# Altium PCB HTBLEBMSALL24S100A_PCB_V0.2_260323.pcbdoc (part 6 of 7)
Units mm, origin at the board's own origin, x right, y up, seen from the top; angles counter-clockwise.
Board outline 212.1 x 87.6 mm, 2 copper layers (Top Layer, Bottom Layer), stack 1.56 mm thick; 927 components, 443 nets, 2867 pads, 2632 vias.
Unrouted connection lines stored in the file: 1161.
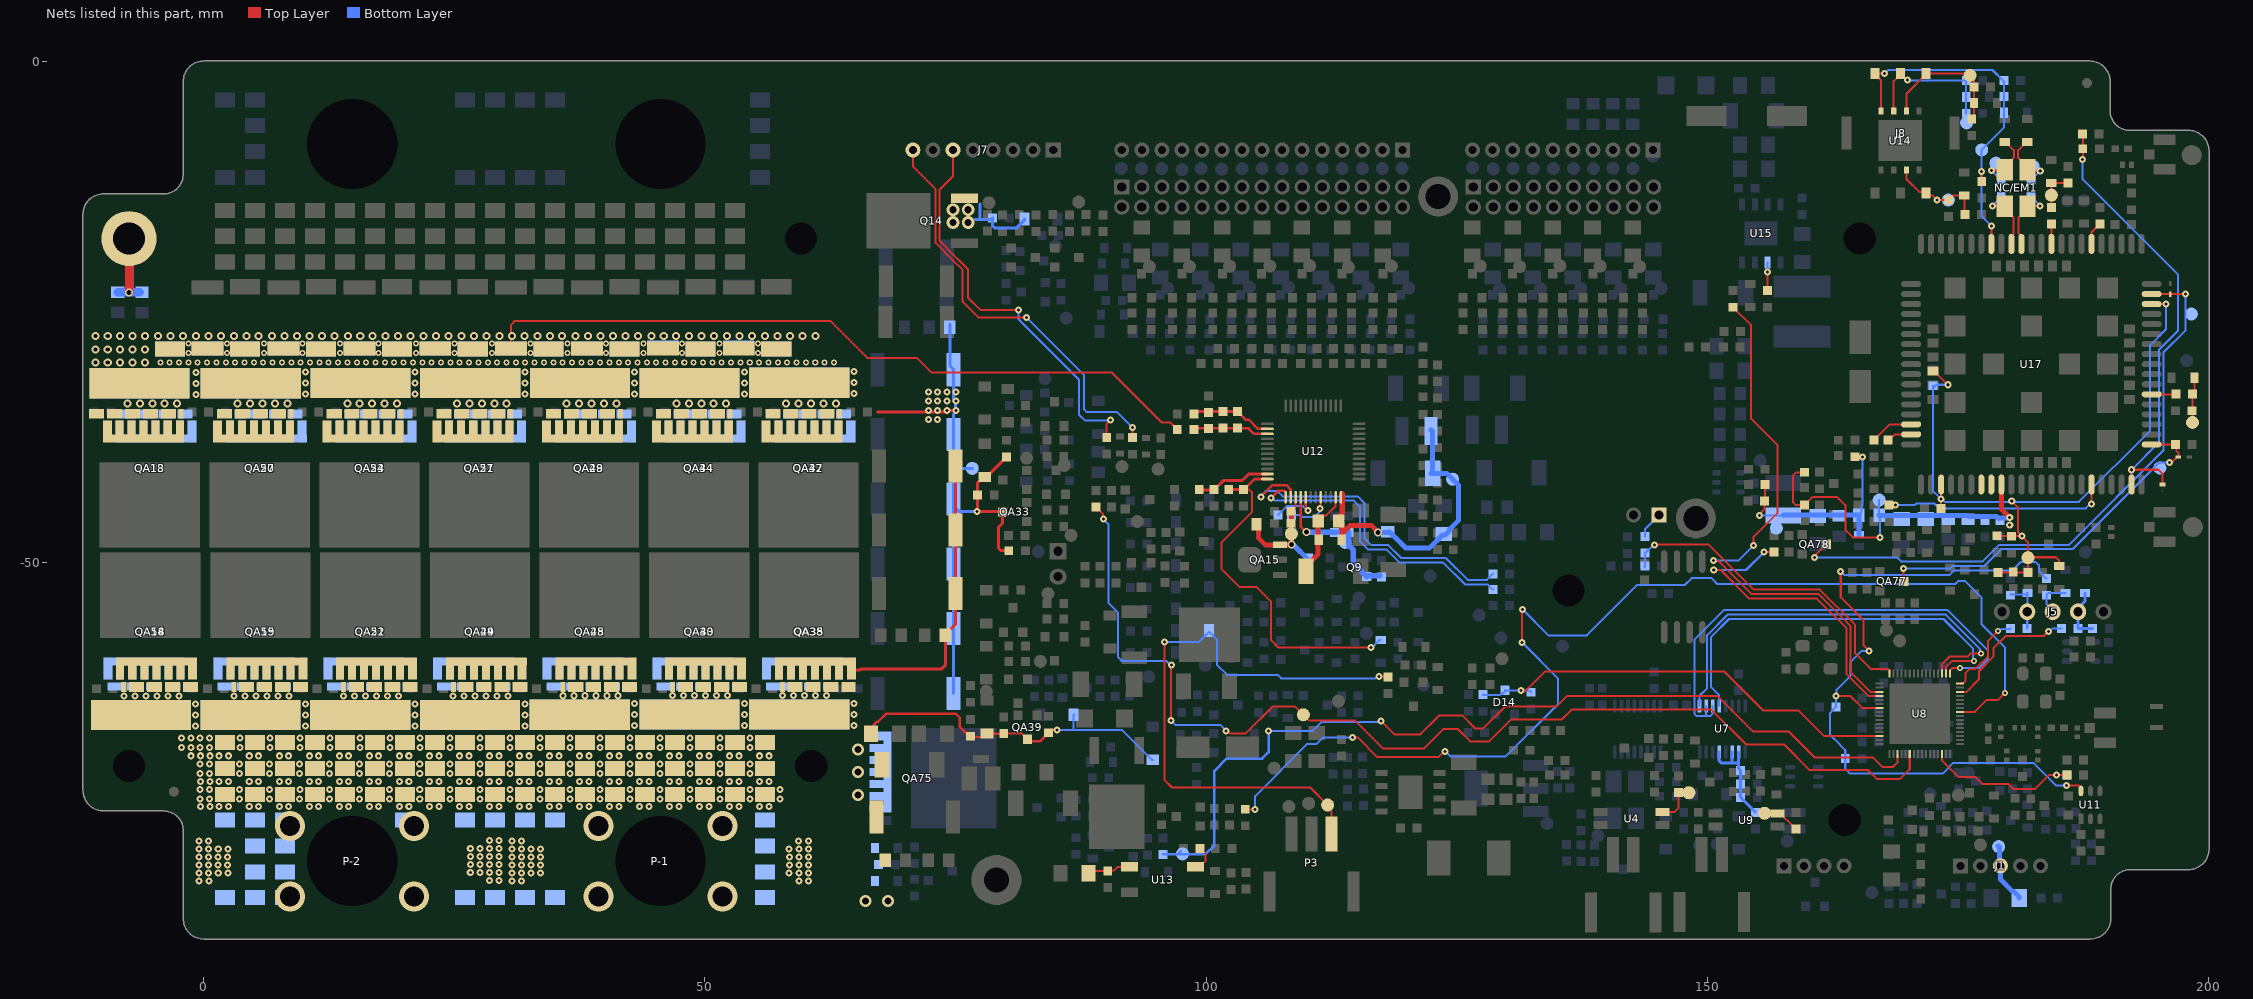
[diagram p6: the nets of this part, all layers, seen from the top]

## Via types
v1: diameter 0.7, hole 0.3, Top Layer to Bottom Layer, tented both sides, 1293 vias
v2: diameter 0.6, hole 0.3, Top Layer to Bottom Layer, tented both sides, 859 vias
v3: diameter 0.8, hole 0.4, Top Layer to Bottom Layer, tented both sides, 301 vias
v4: diameter 0.8, hole 0.5, Top Layer to Bottom Layer, tented both sides, 67 vias
v5: diameter 1.2, hole 0.7, Top Layer to Bottom Layer, tented both sides, 59 vias
v6: diameter 1.27, hole 0.711, Top Layer to Bottom Layer, tented both sides, 34 vias
v7: diameter 3, hole 2, Top Layer to Bottom Layer, tented both sides, 16 vias
v8: diameter 0.9, hole 0.6, Top Layer to Bottom Layer, tented both sides, 2 vias
v9: diameter 0.63, hole 0.3, Top Layer to Bottom Layer, tented both sides, 1 vias

## Nets (pads, with @x,y where several pads share a name; then routed paths per layer and width w, separated by ;. In a path a pad name is that pad's centre, name@x,y a point inside that pad or via, vN(x,y) a via of type N, cw(c..) or ccw(c..) an arc to the next point about the centre after c; other vN are vias at no path point) (continued)
NetR118_2: R118.2 U15.6 | length 2.8
  Top Layer w0.2: R118.2@155.983,-22.866 155.99,-22.859 v1(155.99,-21.013)
  Bottom Layer w0.2: v1@155.99,-21.049 v1(155.99,-21.013) 155.99,-20.084 U15.6@156.009,-20.066
NetR120_1: R120.1 U8.3 | length 55.9
  Top Layer w0.2: v1(150.63,-49.759) 150.68,-49.809 151.1,-49.809 154.4,-53.109 161.07,-53.109 164.3,-56.339 164.3,-60.91 166.267,-62.877 U8.3@167.194,-62.877 ; R120.1@152.55,-24.503 154.362,-26.315 154.362,-35.652 157.005,-38.295 157.005,-45.009 154.61,-47.404 v1(154.61,-48.269)
  Bottom Layer w0.2: v1(150.63,-49.759) 153.12,-49.759 v1(154.61,-48.269)
NetR123_1: R123.1 U8.4 | length 31.2
  Top Layer w0.2: v1(150.64,-50.729) 151.32,-50.729 154.17,-53.579 160.92,-53.579 163.89,-56.549 163.89,-61.11 166.057,-63.277 U8.4@167.194,-63.277 ; v1(155.65,-48.939) 156.65,-48.939 R123.1@156.659,-48.948
  Bottom Layer w0.2: v1(150.64,-50.729) 153.86,-50.729 v1(155.65,-48.939)
NetR143_1: R143.1 U17.50 | length 2.4
  Top Layer w0.2: R143.1@168.14,-37.779 168.72,-37.199 U17.50@170.33,-37.199
NetR144_1: R144.1 U17.49 | length 4.4
  Top Layer w0.2: R144.1@166.615,-37.779 168.195,-36.199 U17.49@170.33,-36.199
NetR145_2: R145.2 U17.20 | length 2.7
  Top Layer w0.2: U17.20@188.326,-18.568 188.326,-17.033 R145.2@189.162,-16.197
NetRA2_1: RA2.1 T11_1.1 U4.4 | length 3.6
  Top Layer w0.2: U4.4@145.84,-74.888 U4.4@145.54,-74.888 146.682,-74.888 147.139,-74.43 RA2.1@147.139,-72.934
NetRA5_1: RA5.1 T23_1.1 U9.4 | length 2.5
  Top Layer w0.2: U9.4@156.995,-75.038 157.295,-75.038 158.5,-76.243 158.511,-76.243 RA5.1@158.856,-76.588
NetRA57_1: RA57.1 U12.41 | length 4.9
  Top Layer w0.2: U12.41@109.932,-43.476 109.937,-43.48 109.937,-44.411 110.167,-44.641 v1(110.167,-44.776)
  Bottom Layer w0.2: RA57.1@107.177,-45.228 108.04,-44.365 109.659,-44.365 110.071,-44.776 v1(110.167,-44.776)
NetRA58_1: RA58.1 U12.44 | length 4.4
  Top Layer w0.2: v1(111.381,-44.586) 111.422,-44.545 111.422,-43.486 U12.44@111.432,-43.476
  Bottom Layer w0.2: RA58.1@108.675,-45.254 109.43,-45.254 109.608,-45.431 110.82,-45.431 111.285,-44.966 111.285,-44.681 v1(111.381,-44.586)
NetRA61_1: RA61.1 U12.38 | length 33.8
  Top Layer w0.254: v1(105.45,-43.45) 106.631,-42.269 108.002,-42.269 108.432,-42.699 U12.38@108.432,-43.476
  Bottom Layer w0.2: v1(105.45,-43.45) 105.45,-43.342 105.926,-42.866 107.101,-42.866 107.629,-43.394 115.107,-43.394 115.795,-44.083 115.795,-47.568 116.474,-48.246 118.17,-48.246 119.456,-49.532 123.893,-49.532 126.08,-51.719 128.007,-51.719 RA61.1@128.6,-51.126
NetRA62_1: RA62.1 U12.37 | length 30.3
  Top Layer w0.254: v1(106.466,-43.526) 107.151,-42.841 107.805,-42.841 107.932,-42.968 U12.37@107.932,-43.476
  Bottom Layer w0.2: v1(106.466,-43.526) 106.546,-43.526 106.833,-43.813 114.739,-43.813 115.343,-44.418 115.343,-47.877 116.138,-48.672 117.987,-48.672 119.276,-49.961 123.613,-49.961 125.822,-52.169 128.077,-52.169 RA62.1@128.6,-52.693
NetRA111_1: RA111.1 T73.1 U8.22 | length 111.7
  Top Layer w0.2: RA111.1@89.013,-44.448 89.728,-45.163 89.728,-45.64 v1(89.749,-45.661) ; v1(96.473,-65.741) 96.511,-65.703 96.511,-60.235 v1(96.55,-60.196) ; v1(102,-66.79) 102.135,-66.79 102.365,-67.02 103.953,-67.02 106.618,-64.354 108.872,-64.354 T73.1@109.679,-65.161 ; T73.1@109.691,-65.174 T73.1@109.679,-65.161 ; U8.22@170.194,-69.077 170.194,-70.606 169.2,-71.6 166.94,-71.6 166.03,-70.69 160.22,-70.69 157.669,-68.139 153.87,-68.139 150.391,-64.659 136.47,-64.659 135.501,-65.629 130.431,-65.629 128.233,-67.826 126.333,-67.826 125.124,-66.617 123.641,-66.617 121.709,-68.549 117.65,-68.549 114.861,-65.759 110.284,-65.759 109.686,-65.161 T73.1@109.679,-65.161
  Bottom Layer w0.2: v1(89.749,-45.661) 90.235,-46.147 90.235,-54.017 91.226,-55.007 91.226,-59.427 91.607,-59.808 96.026,-59.808 96.414,-60.196 v1(96.55,-60.196) ; v1(96.473,-65.741) 96.922,-66.19 101.4,-66.19 v1(102,-66.79)
NetRA146_2: RA146.2 RA155.1 U13.1 | length 4.8
  Top Layer w0.2: RA146.2@88.61,-80.648 RA146.2@88.28,-80.979 88.506,-80.753 RA155.1@90.187,-80.753 90.236,-80.703 90.814,-80.703 91.161,-80.356 U13.1@92.35,-80.356
NetRA148_2: RA148.2 U13.4 | length 3.8
  Top Layer w0.2: U13.4@99.325,-79.981 U13.4@98.95,-80.356 ; U13.4@99.4,-79.981 99.025,-80.356 U13.4@98.95,-80.356 ; RA148.2@99.4,-78.528 99.954,-79.082 99.954,-79.727 99.325,-80.356 U13.4@98.95,-80.356
NetRA154_2: RA154.2 U8.41 | length 115.3
  Top Layer w0.2: RA154.2@103.905,-74.595 103.913,-74.603 v1(104.886,-74.603) ; v1(114.622,-67.456) 114.63,-67.464 115.158,-67.464 117.087,-69.392 123.143,-69.392 123.684,-68.852 v1(123.819,-68.852) ; v1(131.51,-57.96) 131.535,-57.935 131.535,-54.685 v1(131.56,-54.66) ; U8.41@175.194,-64.877 176.683,-64.877 177.84,-63.72 178.96,-63.72 v2(179.68,-63)
  Bottom Layer w0.2: v1(104.886,-74.603) 104.886,-73.282 110.103,-68.065 111.015,-68.065 111.625,-67.456 v1(114.622,-67.456) ; v1(123.819,-68.852) 123.924,-68.852 124.427,-69.355 129.854,-69.355 135.11,-64.099 135.11,-61.56 v1(131.51,-57.96) ; v1(131.56,-54.66) 134.15,-57.25 137.99,-57.25 143.02,-52.22 147.77,-52.22 148.44,-51.55 150.421,-51.55 151,-52.129 174.74,-52.129 175.03,-51.839 175.71,-51.839 177.34,-53.47 177.34,-56.119 179.68,-58.459 v2(179.68,-63)
NetRA173_1: RA173.1 T100.1 U8.19 | length 92
  Top Layer w0.2: v1(117.421,-65.787) 118.769,-67.135 121.368,-67.135 123.232,-65.271 125.592,-65.271 126.874,-66.554 127.616,-66.554 129.816,-64.354 134.946,-64.354 136.02,-63.279 150.991,-63.279 154.572,-66.86 158.15,-66.86 160.74,-69.45 166.54,-69.45 167.47,-70.38 168.52,-70.38 168.994,-69.906 U8.19@168.994,-69.077
  Bottom Layer w0.2: v1(106.232,-66.803) 110.591,-66.803 111.512,-65.882 117.325,-65.882 v1(117.421,-65.787)
  Bottom Layer w0.254: RA173.1@95.707,-79.103 RA173.1@95.709,-79.101 95.728,-79.082 99.954,-79.082 100.817,-78.219 100.817,-70.783 102.046,-69.554 105.577,-69.554 106.232,-68.899 v1(106.232,-66.803) ; T100.1@97.134,-79.101 T100.1@97.449,-78.787
NRST: C62.2 R86.2 R97.1 U8.7 U11.6 | length 76.1
  Top Layer w0.2: v1(162.86,-63.319) 162.881,-63.299 164.259,-63.299 165.437,-64.477 U8.7@167.194,-64.477 ; v1(163.28,-50.869) 163.31,-50.899 163.31,-53.469 165.58,-55.739 165.58,-58.23 v1@166.135,-58.785 ; v1(185.85,-72.209) 187.031,-72.209 187.276,-72.455 U11.6@187.276,-72.762
  Bottom Layer w0.2: v1(163.28,-50.869) 163.654,-51.243 174.136,-51.243 174.6,-50.779 180.4,-50.779 181.24,-49.939 182.759,-49.939 183.09,-50.27 183.09,-50.867 R97.1@183.819,-51.596 ; v1(166.14,-58.79) 166.13,-58.8 165.39,-58.8 164.3,-59.89 164.3,-61.27 162.9,-62.669 162.9,-63.279 v1(162.86,-63.319) 162.86,-64.389 C62.2@162.828,-64.389 162.484,-64.734 162.484,-64.766 162.24,-65.01 162.24,-67.168 163.25,-68.178 163.25,-68.199 163.759,-68.708 R86.2@163.759,-69.529 163.759,-70.578 164.19,-71.009 173.521,-71.009 174.551,-69.979 182.53,-69.979 184.76,-72.209 v1(185.85,-72.209)
NTC1: J7.8 RA139.2 | length 42.4
  Top Layer w0.2: J7.8@70.746,-8.829 70.746,-10.464 73.018,-12.736 73.018,-18.094 74.732,-19.808 74.734,-19.808 75.706,-20.78 75.706,-23.989 77.248,-25.53 v1(82.072,-25.53) ; v1(92.648,-36.516) 92.648,-37.202 RA139.2@92.927,-37.481
  Bottom Layer w0.2: v1(82.072,-25.53) 87.822,-31.281 87.822,-34.713 88.101,-34.992 91.124,-34.992 91.978,-35.846 v1(92.648,-36.516)
NTC2: J7.6 RA163.2 | length 40.2
  Top Layer w0.2: J7.6@74.746,-8.829 74.746,-11.444 73.418,-12.772 73.418,-17.908 74.159,-18.65 74.159,-18.668 76.24,-20.748 76.24,-23.559 77.464,-24.784 v1(81.282,-24.784) ; RA163.2@90.08,-37.516 90.08,-36.145 v1(90.436,-35.789)
  Bottom Layer w0.2: v1(81.282,-24.784) 81.282,-25.736 87.314,-31.768 87.314,-35.221 87.898,-35.805 90.42,-35.805 v1(90.436,-35.789)
PACK-: CA29.2 CA44.2 CA64.1 D22.1 D25.1 D28.1 D31.1 DA16.2 DA17.1 DA40.1 DA41.1 DA46.1 DA48.1 P-1. P-1.1@45.55,-79.769 P-2. P-2.1@14.802,-79.769 pad.6@2.094,-67.954 pad.6@2.094,-70.531 pad.6@2.094,-73.108 pad.6@2.094,-75.685 pad.6@2.094,-83.415 pad.6@2.114,-62.359 pad.6@3.005,-62.398 pad.6@4.056,-62.359 pad.6@4.274,-62.398 pad.6@5.089,-67.954 pad.6@5.089,-70.531 pad.6@5.089,-73.108 pad.6@5.089,-75.685 pad.6@5.089,-78.262 pad.6@5.089,-80.838 pad.6@5.089,-83.415 pad.6@5.998,-62.359 pad.6@6.066,-62.398 pad.6@7.94,-62.359 pad.6@7.858,-62.398 pad.6@8.084,-67.954 pad.6@8.084,-70.531 pad.6@8.084,-73.108 pad.6@8.084,-75.685 pad.6@8.084,-78.262 pad.6@8.084,-80.838 pad.6@8.084,-83.415 pad.6@9.65,-62.398 pad.6@11.078,-67.954 pad.6@11.078,-70.531 pad.6@11.078,-73.108 pad.6@13.059,-62.359 pad.6@13.949,-62.398 pad.6@14.073,-67.954 pad.6@14.073,-70.531 pad.6@14.073,-73.108 pad.6@15.001,-62.359 pad.6@15.219,-62.398 pad.6@16.943,-62.359 pad.6@17.011,-62.398 pad.6@17.068,-67.954 pad.6@17.068,-70.531 pad.6@17.068,-73.108 pad.6@18.803,-62.398 pad.6@18.885,-62.359 pad.6@20.062,-67.954 pad.6@20.062,-70.531 pad.6@20.062,-73.108 pad.6@20.062,-75.685 pad.6@20.595,-62.398 pad.6@23.057,-67.954 pad.6@23.057,-70.531 pad.6@23.057,-73.108 pad.6@24.004,-62.359 pad.6@24.894,-62.398 pad.6@25.946,-62.359 pad.6@26.052,-67.954 pad.6@26.052,-70.531 pad.6@26.052,-73.108 pad.6@26.052,-75.685 pad.6@26.052,-83.415 pad.6@26.164,-62.398 pad.6@27.888,-62.359 pad.6@27.956,-62.398 pad.6@29.046,-67.954 pad.6@29.046,-70.531 pad.6@29.046,-73.108 pad.6@29.046,-75.685 pad.6@29.046,-83.415 pad.6@29.83,-62.359 pad.6@29.748,-62.398 pad.6@31.54,-62.398 pad.6@32.041,-67.954 pad.6@32.041,-70.531 pad.6@32.041,-73.108 pad.6@32.041,-75.685 pad.6@32.041,-83.415 pad.6@34.949,-62.359 pad.6@35.036,-67.954 pad.6@35.036,-70.531 pad.6@35.036,-73.108 pad.6@35.036,-75.685 pad.6@35.036,-83.415 pad.6@35.839,-62.398 pad.6@36.891,-62.359 pad.6@37.109,-62.398 pad.6@38.03,-67.954 pad.6@38.03,-70.531 pad.6@38.03,-73.108 pad.6@38.833,-62.359 pad.6@38.901,-62.398 pad.6@40.693,-62.398 pad.6@40.774,-62.359 pad.6@41.025,-67.954 pad.6@41.025,-70.531 pad.6@41.025,-73.108 pad.6@42.485,-62.398 pad.6@44.02,-67.954 pad.6@44.02,-70.531 pad.6@44.02,-73.108 pad.6@45.894,-62.359 pad.6@46.784,-62.398 pad.6@47.014,-67.954 pad.6@47.014,-70.531 pad.6@47.014,-73.108 pad.6@47.836,-62.359 pad.6@48.054,-62.398 pad.6@49.778,-62.359 pad.6@49.846,-62.398 pad.6@50.009,-67.954 pad.6@50.009,-70.531 pad.6@50.009,-73.108 pad.6@51.638,-62.398 pad.6@51.719,-62.359 pad.6@53.004,-67.954 pad.6@53.004,-70.531 pad.6@53.004,-73.108 pad.6@53.43,-62.398 pad.6@55.998,-67.954 pad.6@55.998,-70.531 pad.6@55.998,-73.108 pad.6@55.998,-75.685 pad.6@55.998,-78.262 pad.6@55.998,-80.838 pad.6@55.998,-83.415 pad.6@56.839,-62.359 pad.6@57.729,-62.398 pad.6@58.736,-62.359 pad.6@58.999,-62.398 pad.6@60.632,-62.359 pad.6@60.791,-62.398 pad.6@62.279,-62.359 pad.6@62.583,-62.398 pad.6@64.296,-62.398 pad.6@-1.34,-62.398 pad.6@-3.051,-62.359 pad.6@-3.132,-62.398 pad.6@-4.924,-62.398 pad.6@-4.993,-62.359 pad.6@-6.716,-62.398 pad.6@-6.935,-62.359 pad.6@-7.985,-62.398 pad.6@-8.877,-62.359 QA14.2 QA14.3 QA14.4 QA14.5 QA14.6 QA14.7 QA14.8 QA19.2 QA19.3 QA19.4 QA19.5 QA19.6 QA19.7 QA19.8 QA21.2 QA21.3 QA21.4 QA21.5 QA21.6 QA21.7 QA21.8 QA24.2 QA24.3 QA24.4 QA24.5 QA24.6 QA24.7 QA24.8 QA28.2 QA28.3 QA28.4 QA28.5 QA28.6 QA28.7 QA28.8 QA30.2 QA30.3 QA30.4 QA30.5 QA30.6 QA30.7 QA30.8 QA35.2 QA35.3 QA35.4 QA35.5 QA35.6 QA35.7 QA35.8 QA38.2 QA38.3 QA38.4 QA38.5 QA38.6 QA38.7 QA38.8 QA39.3 QA43.2 QA43.3 QA43.4 QA43.5 QA43.6 QA43.7 QA43.8 QA45.2 QA45.3 QA45.4 QA45.5 QA45.6 QA45.7 QA45.8 QA49.2 QA49.3 QA49.4 QA49.5 QA49.6 QA49.7 QA49.8 QA52.2 QA52.3 QA52.4 QA52.5 QA52.6 QA52.7 QA52.8 QA55.2 QA55.3 QA55.4 QA55.5 QA55.6 QA55.7 QA55.8 QA58.2 QA58.3 QA58.4 QA58.5 QA58.6 QA58.7 QA58.8 QA75.2 QA75.3 QA75.4 QA75.5 QA75.6 QA75.7 QA75.8 RA70.2 RA71.2 RA72.2 RA169.1 T3.1@59.402,-65.148 T8.1 T9.1 T10.1 T11.1 T12.1@37.509,-65.168 T13.1@48.456,-65.158 T22.1 T23.1 T24.1@15.617,-65.189 T25.1@26.563,-65.179 T26.1@37.509,-65.168 T27.1@48.456,-65.158 T28.1@59.402,-65.148 | length 65.4
  Top Layer w0.2: 75.836,-66.797 76.411,-67.373 77.8,-67.373 DA40.1@78.132,-67.041 ; RA71.2@79.811,-67.049 81.619,-67.049 82.336,-67.766 QA39.3@82.336,-67.834
  Top Layer w0.254: CA29.2@66.59,-66.562 66.59,-66.435 67.162,-65.863 67.289,-65.863 68.1,-65.052 75.008,-65.052 75.424,-65.469 75.424,-66.386 75.836,-66.797 RA70.2@76.471,-67.432 ; RA70.2@76.471,-67.316 RA70.2@76.745,-67.041 ; DA40.1@78.139,-67.049 RA71.2@79.811,-67.049 ; QA39.3@82.336,-67.834 83.426,-67.834 RA72.2@84.292,-66.968 ; RA72.2@84.522,-66.911 84.522,-66.759 84.609,-66.671 v1(85.122,-66.671)
  Top Layer w0.3: QA38.8@64.603,-60.907 64.801,-60.709 65.49,-60.709 65.61,-60.588 73.63,-60.588 73.979,-60.239 CA44.2@73.979,-57.25 73.979,-57.161 74.97,-56.171 D28.1@74.97,-53.084 D25.1@74.97,-46.722 D22.1@74.97,-40.359
  Bottom Layer w0.2: v1@85.218,-66.575 v1(85.122,-66.671) 86.781,-66.671 ; DA17.1@86.77,-65.162 86.781,-65.172 86.781,-66.671 ; DA16.2@94.68,-69.663 94.553,-69.663 91.561,-66.671 86.781,-66.671
  Bottom Layer w0.254: DA17.1@86.77,-65.162 86.859,-65.162 DA17.1@86.781,-65.24
  other v1: 30.74,-81.771 31.715,-81.771 59.381,-81.743 60.32,-81.743 -0.472,-81.735 0.503,-81.735 28.517,-81.73 29.457,-81.73 30.74,-80.973 31.697,-80.973 32.655,-80.973 33.612,-80.973 -0.472,-80.937 0.486,-80.937 1.443,-80.937 2.401,-80.937 26.584,-80.932 27.542,-80.932 28.499,-80.932 29.457,-80.932 58.405,-80.945 59.363,-80.945 60.32,-80.945 30.74,-80.175 31.679,-80.175 32.637,-80.175 33.594,-80.175 58.423,-80.147 59.381,-80.147 60.32,-80.147 -0.472,-80.139 0.468,-80.139 1.425,-80.139 2.383,-80.139 26.602,-80.134 27.56,-80.134 28.517,-80.134 29.457,-80.134 30.74,-79.377 31.679,-79.377 32.637,-79.377 33.594,-79.377 -0.472,-79.341 0.468,-79.341 1.425,-79.341 2.383,-79.341 26.602,-79.336 27.56,-79.336 28.517,-79.336 29.457,-79.336 58.423,-79.349 59.381,-79.349 60.32,-79.349 30.74,-78.579 31.697,-78.579 32.655,-78.579 33.612,-78.579 -0.472,-78.543 0.486,-78.543 1.443,-78.543 2.401,-78.543 58.405,-78.551 59.363,-78.551 60.32,-78.551 26.584,-78.538 27.542,-78.538 28.499,-78.538 29.457,-78.538 30.74,-77.781 31.679,-77.781 59.345,-77.753 60.32,-77.753 -0.472,-77.745 0.468,-77.745 28.482,-77.74 29.457,-77.74 -0.339,-74.335 0.601,-74.335 1.541,-74.335 2.481,-74.335 4.535,-74.335 5.475,-74.335 7.53,-74.335 8.47,-74.335 10.525,-74.335 11.465,-74.335 13.519,-74.335 14.459,-74.335 16.514,-74.335 17.454,-74.335 19.509,-74.335 20.448,-74.335 22.503,-74.335 23.443,-74.335 25.498,-74.335 26.438,-74.335 28.493,-74.335 29.432,-74.335 31.487,-74.335 32.427,-74.335 34.482,-74.335 35.422,-74.335 37.477,-74.335 38.416,-74.335 40.471,-74.335 41.411,-74.335 43.466,-74.335 44.406,-74.335 46.461,-74.335 47.4,-74.335 49.455,-74.335 50.395,-74.335 52.45,-74.335 53.39,-74.335 55.445,-74.335 56.384,-74.335 -0.357,-73.588 0.583,-73.588 3.578,-73.588 6.572,-73.588 9.567,-73.588 12.562,-73.588 15.556,-73.588 18.551,-73.588 21.546,-73.588 24.54,-73.588 27.535,-73.588 30.53,-73.588 33.524,-73.588 36.519,-73.588 39.514,-73.588 42.508,-73.588 45.503,-73.588 48.498,-73.588 51.492,-73.588 54.487,-73.588 57.51,-73.568 -0.357,-72.648 0.583,-72.648 3.578,-72.648 6.572,-72.648 12.562,-72.648 15.556,-72.648 18.551,-72.648 21.546,-72.648 24.54,-72.648 30.53,-72.648 33.524,-72.648 36.519,-72.648 39.514,-72.648 42.508,-72.648 45.503,-72.648 48.498,-72.648 51.492,-72.648 54.487,-72.648 9.595,-72.628 27.563,-72.628 57.51,-72.628 -0.339,-71.838 0.601,-71.838 1.541,-71.838 2.481,-71.838 4.535,-71.838 5.475,-71.838 7.53,-71.838 8.47,-71.838 10.525,-71.838 11.465,-71.838 13.519,-71.838 14.459,-71.838 16.514,-71.838 17.454,-71.838 19.509,-71.838 20.448,-71.838 22.503,-71.838 23.443,-71.838 25.498,-71.838 26.438,-71.838 28.493,-71.838 29.432,-71.838 31.487,-71.838 32.427,-71.838 34.482,-71.838 35.422,-71.838 37.477,-71.838 38.416,-71.838 40.471,-71.838 41.411,-71.838 43.466,-71.838 44.406,-71.838 46.461,-71.838 47.4,-71.838 49.455,-71.838 50.395,-71.838 52.45,-71.838 53.39,-71.838 55.445,-71.838 56.384,-71.838 -0.357,-71.011 0.583,-71.011 3.578,-71.011 6.572,-71.011 9.567,-71.011 12.562,-71.011 15.556,-71.011 18.551,-71.011 21.546,-71.011 24.54,-71.011 27.535,-71.011 30.53,-71.011 33.524,-71.011 36.519,-71.011 39.514,-71.011 42.508,-71.011 45.503,-71.011 48.498,-71.011 51.492,-71.011 54.487,-71.011 -0.357,-70.071 0.583,-70.071 3.578,-70.071 6.572,-70.071 9.567,-70.071 12.562,-70.071 15.556,-70.071 18.551,-70.071 21.546,-70.071 24.54,-70.071 27.535,-70.071 30.53,-70.071 33.524,-70.071 36.519,-70.071 39.514,-70.071 42.508,-70.071 45.503,-70.071 48.498,-70.071 51.492,-70.071 54.487,-70.071 -1.279,-69.262 -0.339,-69.262 0.601,-69.262 1.541,-69.262 2.481,-69.262 4.535,-69.262 5.475,-69.262 7.53,-69.262 8.47,-69.262 10.525,-69.262 11.465,-69.262 13.519,-69.262 14.459,-69.262 16.514,-69.262 17.454,-69.262 19.509,-69.262 20.448,-69.262 22.503,-69.262 23.443,-69.262 25.498,-69.262 26.438,-69.262 28.493,-69.262 29.432,-69.262 31.487,-69.262 32.427,-69.262 34.482,-69.262 35.422,-69.262 37.477,-69.262 38.416,-69.262 40.471,-69.262 41.411,-69.262 43.466,-69.262 44.406,-69.262 46.461,-69.262 47.4,-69.262 49.455,-69.262 50.395,-69.262 52.45,-69.262 53.39,-69.262 55.445,-69.262 56.384,-69.262 -2.236,-68.434 -1.296,-68.434 -0.357,-68.434 0.583,-68.434 3.606,-68.434 6.6,-68.434 9.595,-68.434 12.59,-68.434 15.584,-68.434 18.579,-68.434 21.574,-68.434 24.568,-68.434 27.563,-68.434 30.558,-68.434 33.552,-68.434 36.547,-68.434 39.542,-68.434 42.536,-68.434 45.531,-68.434 48.526,-68.434 51.52,-68.434 54.515,-68.434 -2.236,-67.495 -1.296,-67.495 -0.357,-67.495 0.583,-67.495 3.606,-67.495 6.6,-67.495 9.595,-67.495 12.59,-67.495 15.584,-67.495 18.579,-67.495 21.574,-67.495 24.568,-67.495 27.563,-67.495 30.558,-67.495 33.552,-67.495 36.547,-67.495 39.542,-67.495 42.536,-67.495 45.531,-67.495 48.526,-67.495 51.52,-67.495 54.515,-67.495 -0.808,-66.301 10.138,-66.291 21.085,-66.281 32.031,-66.271 42.977,-66.261 53.923,-66.25 64.869,-66.24 -0.808,-65.204 10.138,-65.194 21.085,-65.184 32.031,-65.174 42.977,-65.163 53.923,-65.153 64.869,-65.143 -0.808,-64.107 10.138,-64.097 21.085,-64.086 32.031,-64.076 42.977,-64.066 53.923,-64.056 64.869,-64.046 -7.955,-63.317 -6.858,-63.317 -5.761,-63.317 -4.663,-63.317 -3.566,-63.317 -2.469,-63.317 2.991,-63.307 4.088,-63.307 5.185,-63.307 6.283,-63.307 7.38,-63.307 8.477,-63.307 13.937,-63.296 15.034,-63.296 16.132,-63.296 17.229,-63.296 18.326,-63.296 19.423,-63.296 24.883,-63.286 25.98,-63.286 27.078,-63.286 28.175,-63.286 29.272,-63.286 30.369,-63.286 35.829,-63.276 36.926,-63.276 38.024,-63.276 39.121,-63.276 40.218,-63.276 41.316,-63.276 46.775,-63.266 47.873,-63.266 48.97,-63.266 50.067,-63.266 51.164,-63.266 52.262,-63.266 57.721,-63.256 58.819,-63.256 59.916,-63.256 61.013,-63.256 62.111,-63.256
  other v5: 66.001,-83.747 68.261,-83.747 65.259,-73.163 65.259,-70.902 65.259,-68.642
  other v7: 8.611,-83.295 20.981,-83.295 39.359,-83.295 51.729,-83.295 8.611,-76.255 20.981,-76.255 39.359,-76.255 51.729,-76.255
PRE_DSG: DA6.1 P3.3 R76.1 T28.1@112.117,-74.18 | length 60.4
  Top Layer w0.2: v1(95.823,-57.903) 95.823,-71.662 96.593,-72.432 110.369,-72.432 T28.1@112.117,-74.18 112.117,-74.444 112.52,-74.847 P3.3@112.52,-77.05 ; v1(117.235,-61.334) 118.063,-61.334 R76.1@118.134,-61.405
  Bottom Layer w0.2: v1(95.823,-57.903) 99.285,-57.903 99.885,-57.302 100.293,-56.894 101.106,-57.707 101.106,-60.214 102.09,-61.198 107.145,-61.198 107.482,-61.535 116.899,-61.535 117.1,-61.334 v1(117.235,-61.334)
PWRKEY: C73.2 QA77.3 T101.1 TVS1.1 U17.1 | length 37.1
  Top Layer w0.2: v1(169.586,-50.557) 169.586,-51.714 QA77.3@169.643,-51.77 ; U17.1@193.777,-38.199 U17.1@194.33,-38.199 196.279,-38.199 196.285,-38.205 C73.2@196.278,-38.211 ; v1(196.1,-40.03) 196.196,-39.934 196.386,-39.934 196.86,-39.46 TVS1.1@196.99,-39.46 196.99,-39.03 196.792,-38.832 196.792,-38.283 C73.2@196.714,-38.205
  Bottom Layer w0.2: v1(169.586,-50.557) 174.233,-50.557 174.47,-50.319 177.65,-50.319 179.309,-48.66 186.43,-48.66 195.06,-40.03 v1(196.1,-40.03)
R\S\T\: D15.2 J5.3 R97.2 | length 3.9
  Bottom Layer w0.2: J5.3@184.456,-54.895 184.456,-54.729 183.819,-54.092 R97.2@183.819,-53.247 184.054,-53.012 D15.2@185.741,-53.012
RESET_N: QA78.3 T105.1 TVS2.1 U17.16 | length 60.9
  Top Layer w0.2: v1(160.71,-49.49) 160.806,-49.394 160.806,-49.217 161.861,-48.162 QA78.3@161.886,-48.162 ; U17.16@194.694,-23.199 v1(197.71,-23.199)